# Altium PCB HIVE_BOARD_PCB ASCII REV Project_PCB_Rev.Project_SCH_Rev.PcbDoc (part 3 of 9) (continued)
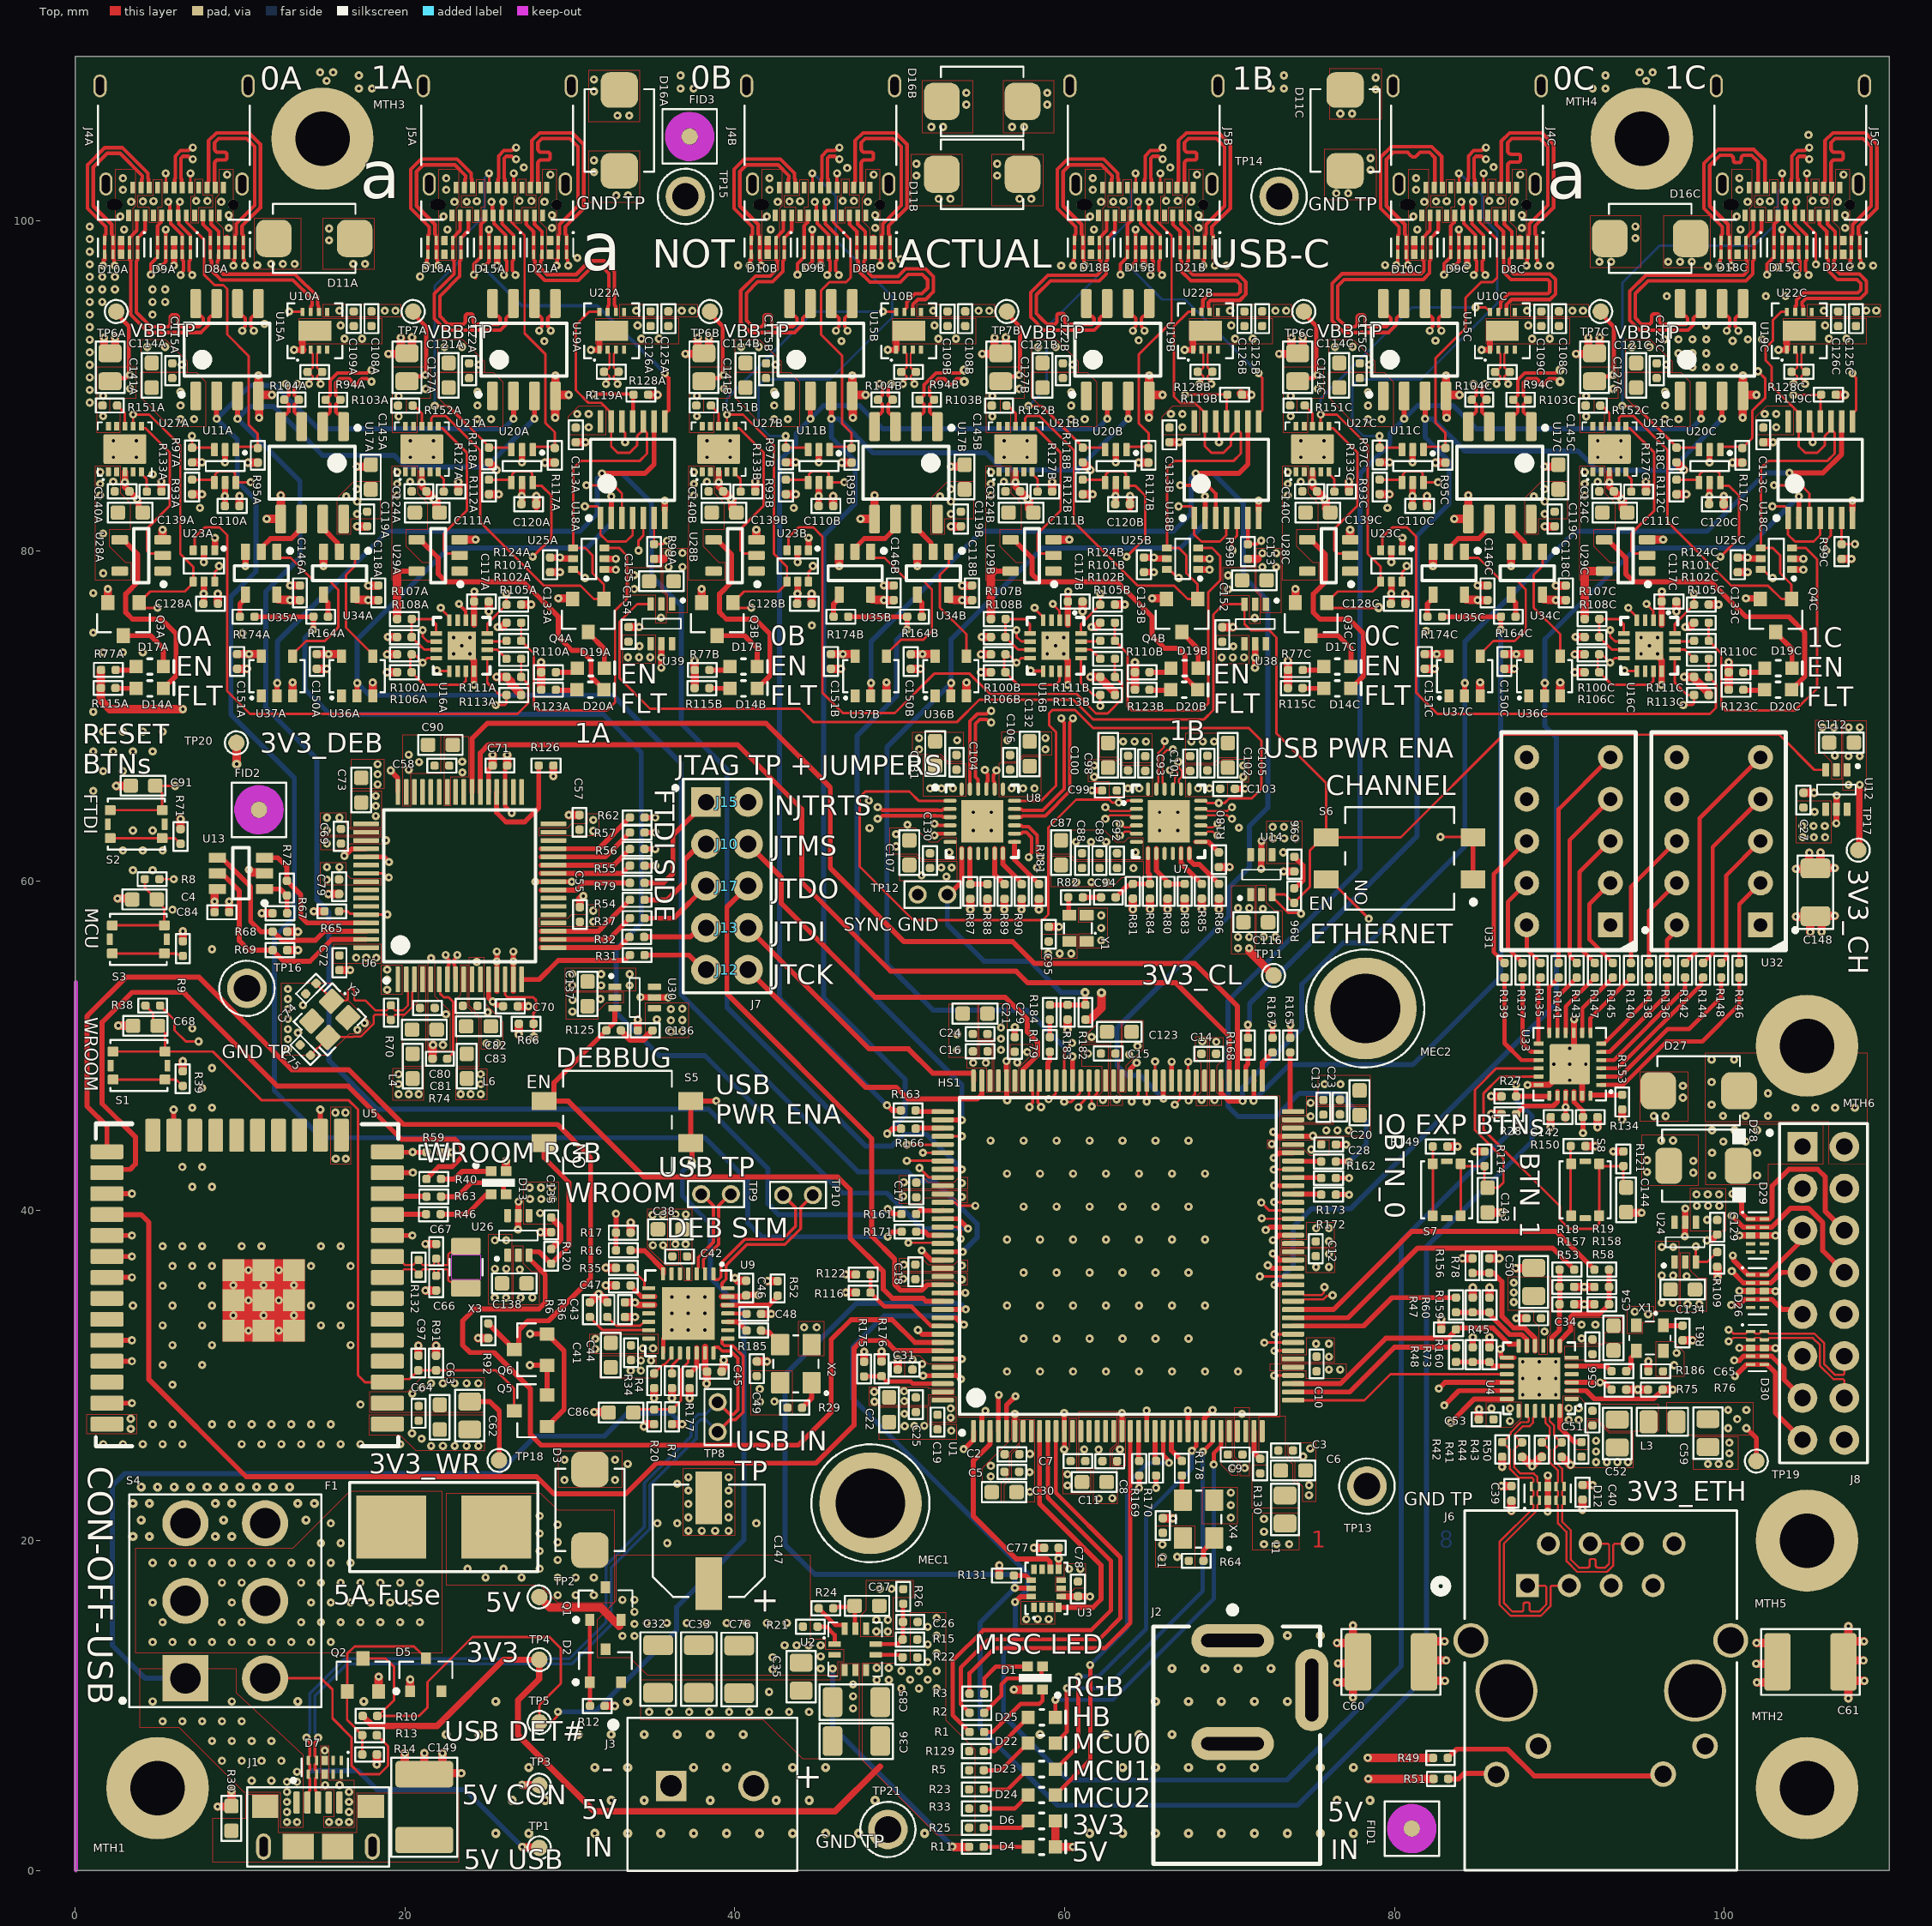
[diagram p0: Top view]
## Part data (continued)
U15A U15B U15C U19A U19B U19C: library part COM_XCV_FIN1027AMX, "COM_XCV - 3V3 LVCMOS to LVDS, 2 bits, High-SPEED, DIFF driver - SOIC-8"
U16A U16B U16C: library part CMP_LM339LVRTER, "COMP - Quad Comparator General Purpose Open-Drain, Rail-to-Rail - 16-WQFN (3x3)"
U17A U17B U17C: library part COM_XCV_FIN1028MX, "COM_XCV - 3V3 LVDS to LVCMOS, 2 bits, High-SPEED, DIFF receiver - SOIC-8"
U18A U18B U18C: library part LOG_BUF_74LVC126APW,118, "LOG_BUF - Quad Buffer non-inverting 3-States - 14-TSSOP"
U21A U21B U21C U27A U27B U27C: library part POW_NIS6150MT1TXG, "POW -  Electronic Fuse Regulator 1A -  10-WDFNW"
U23A U23B U23C U25A U25B U25C: library part LOG_AND_74LVC1G11DW-7, "LOG - AND Gate, 1CH 3-INP - 6-TSSOP"
U28A U28B U28C U29A U29B U29C: library part LOG_BUF_74AHC1G07GV,125, "LOG_BUF - Buffer non-inverting Open Drain - SC-74A"
U31 U32: library part LED_7SEG_INND-TS30RAB, "LED_7SEG  - LED Character and Numeric Red 7-Segment 1 Character Common Anode 2V - 10-TH"
U33: library part LOG_IOEXP_TCA9539RGER, "LOG - 16-Bit I2C/SMBus, I/O Expander - 24-VQFN-EP"
U34A U34B U34C U35A U35B U35C: library part LOG_BUF_74LVC1G126GV,125, "LOG_BUF - Buffer non-inverting 3-States - SC-74A"
U36A U36B U36C U37A U37B U37C: library part LOG_INV_74LVC1G04GV, "LOG - INVERTER 1CH 1-INP - SOT-753"
X1: library part OSC_CRY_ASDM1-25.000MHZ-LC-T, "OSC_CRY - 25MHz +-50ppm LVCMOS Crystal"
X2 X4: library part "OSC_O 24,0-JO32-B-1V3-1-T1-LF", "OSC - 24MHz XO (Standard) LVCMOS Oscillator 1.8V ~ 3.3V Enable/Disable 4-SMD, No Lead"
X3: library part CRY_VMK3-9005-32K7680000, "CRY - 32.768KHZ tol:20ppm  - 2-SMD"
Y1: library part "OSC_O 38,40-JT21G-E-M-3,3-LF", "OSC -  TCXO Clipped Sine Wave Oscillator 3.3V 38.4MHz - 4-SMD"
Y3: library part "CRY_FA-20H 12.0000MD30Z-K3", "CRY - 12MHz ±30ppm Crystal 10pF 150 Ohms 4-SMD, No Lead"

## Via types
v1: diameter 0.5, hole 0.2, Top to Bottom, tented both sides, 1950 vias
v2: diameter 0.55, hole 0.2, Top to Bottom, tented both sides, 104 vias
v3: diameter 0.5, hole 0.2, Top to Bottom, 41 vias
v4: diameter 0.5, hole 0.2, Top to Bottom, tented bottom, 5 vias

## Nets (pads, with @x,y where several pads share a name; then routed paths per layer and width w, separated by ;. In a path a pad name is that pad's centre, name@x,y a point inside that pad or via, vN(x,y) a via of type N, cw(c..) or ccw(c..) an arc to the next point about the centre after c; other vN are vias at no path point)
3V3: C1.2 C2.1 C5.2 C7.1 C8.1 C9.1 C10.1 C11.2 C12.1 C13.1 C14.1 C15.1 C16.1 C17.1 C18.1 C19.1 C26.2 C27.1 C30.1 C36.2 C38.1 C41.2 C42.2 C43.2 C44.2 C45.2 C46.2 C49.2 C77.1 C78.1 C85.2 C96.1 C117A.2 C117B.2 C117C.2 C123.2 C128A.2 C128B.2 C128C.2 C129.1 C133A.2 C133B.2 C133C.2 C135.1 C136.1 C142.1 C148.2 C152.1 C154.1 D1.3 D28.K J8.1 L1.1 R4.1 R5.1 R6.1 R10.1 R15.2 R22.1 R23.1 R25.2 R27.1 R28.1 R29.1 R33.1 R35.1 R36.1 R64.1 R77A.2 R77B.2 R77C.2 R96.1 R100A.1 R100B.1 R100C.1 R101A.1 R101B.1 R101C.1 R109.1 R110A.2 R110B.2 R110C.2 R111A.1 R111B.1 R111C.1 R113A.1 R113B.1 R113C.1 R114.2 R115A.2 R115B.2 R115C.2 R116.1 R120.1 R121.2 R123A.2 R123B.2 R123C.2 R124A.1 R124B.1 R124C.1 R125.1 R129.1 R131.1 R134.2 R153.2 R175.2 R177.1 TP4.1 U1.7 U1.8 U1.13 U1.19 U1.32 U1.42 U1.56 U1.71 U1.79 U1.90 U1.92 U1.106 U1.119 U1.129 U1.144 U2.5 U3.5 U3.8 U9.4 U9.10 U9.14 U9.20 U9.27 U12.4 U14.4 U16A.1 U16B.1 U16C.1 U23A.5 U23B.5 U23C.5 U24.4 U25A.5 U25B.5 U25C.5 U26.4 U30.4 U31.1 U31.6 U32.1 U32.6 U33.21 U38.4 U39.4 X2.4 X4.4 | length 115.7
  Top w0.305: C46.2@40.586,34.794 40.705,34.913 C46.2@40.716,34.902 ; v1@41.423,34.902 v1(41.434,34.891) ; v1(63.348,25.527) 63.348,25.514 v1@63.408,25.454 ; U1.19@63.472,27.213 v1(63.472,27.734) ; R96.1@73.914,59.55 74.016,59.652 74.074,59.652 74.447,60.025 74.447,60.935 C96.1@73.923,61.46 ; C142.1@90.353,45.524 C142.1@90.353,45.681 90.373,45.701 v1(90.373,46.279) U33.21@90.374,46.986 ; U33.21@90.374,46.986 U33.21@90.374,47.238
  Top w0.381: C128A.2@7.812,76.84 7.812,77.617 U23A.5@7.812,78.141 ; R10.1@17.437,9.373 18.044,8.766 21.951,8.766 25.968,12.783 TP4.1@28.143,12.783 28.143,11.612 26.847,10.316 26.847,8.219 31.478,3.589 46.078,3.589 48.797,6.308 ; v1@24.189,77.541 24.189,76.942 C117A.2@24.192,76.939 24.195,76.936 U16A.1@24.195,75.542 ; C133A.2@28.807,79.606 v1(29.406,79.606) 29.439,79.606 29.494,79.55 30.181,79.55 U25A.5@30.2,79.53 ; R120.1@28.868,37.678 29.416,38.227 29.416,39.045 C135.1@28.87,39.591 ; v1(31.746,34.962) v1@31.761,34.962 ; R125.1@33.094,50.935 33.643,50.387 34.461,50.387 C136.1@35.007,50.933 ; v1(33.951,34.442) 33.983,34.442 34.14,34.286 U9.10@34.778,34.286 U9.10@35.107,34.286 ; U9.20@38.195,31.74 U9.20@38.195,31.377 38.195,30.37 C45.2@38.314,30.251 ; U9.27@39.216,34.794 U9.27@39.579,34.794 C46.2@40.586,34.794 ; C46.2@40.716,34.902 v1@41.423,34.902 ; C128B.2@43.812,76.84 43.812,77.617 U23B.5@43.812,78.141 ; U3.8@59.634,18.272 v1(59.634,18.917) C77.1@59.634,19.563 ; U3.5@59.797,16.609 v1(61.535,16.609) ; v1@60.189,77.541 60.189,76.942 C117B.2@60.192,76.939 60.195,76.936 U16B.1@60.195,75.542 ; C133B.2@64.807,79.606 v1(65.406,79.606) 65.439,79.606 65.494,79.55 66.181,79.55 U25B.5@66.2,79.53 ; C128C.2@79.812,76.84 79.812,77.617 U23C.5@79.812,78.141 ; v1@96.189,77.541 96.189,76.942 C117C.2@96.192,76.939 96.195,76.936 U16C.1@96.195,75.542 ; R124C.1@99.045,76.75 R124C.1@99.051,76.756 ; C133C.2@100.807,79.606 v1(101.406,79.606) 101.439,79.606 101.494,79.55 102.181,79.55 U25C.5@102.2,79.53
  Top w0.508: R77A.2@1.572,72.793 1.565,72.786 1.565,71.703 R115A.2@1.558,71.697 1.558,70.953 2.098,70.414 v1(6.536,70.414) ; v1(18.923,73.733) R100A.1@19.523,73.733 ; v1(25.558,72.365) R111A.1@26.158,72.365 26.438,72.085 26.438,71.935 27.045,71.328 R113A.1@27.045,71.268 ; v1(25.629,75.387) 25.892,75.387 R101A.1@26.158,75.654 ; R124A.1@27.045,76.75 27.051,76.756 v1(27.651,76.756) ; v1(28.256,73.254) 28.256,72.654 R110A.2@28.259,72.651 R123A.2@28.259,71.589 ; R6.1@31.215,34.425 31.215,34.431 v1(31.746,34.962) ; v1@31.761,34.962 R36.1@32.276,34.447 ; v1@32.181,36.54 R35.1@32.795,36.54 ; C43.2@33.337,34.448 v1@33.951,34.448 ; v1@36.191,28.637 R4.1@36.191,29.252 ; v1@37.266,28.629 R177.1@37.266,29.243 ; v1(37.564,73.352) 37.564,72.752 R77B.2@37.57,72.746 ; R115B.2@37.571,71.696 37.571,72.779 R77B.2@37.577,72.786 ; v1(38.292,29.522) 38.303,29.533 C45.2@38.303,30.24 ; v1@46.727,35.043 R116.1@47.341,35.043 ; R175.2@47.838,30.844 v1@47.838,31.459 ; v1(54.923,73.733) R100B.1@55.523,73.733 ; R131.1@56.031,17.885 v1@56.031,18.5 ; v1@56.92,10.967 D1.3@57.534,10.967 ; v1(61.558,72.365) R111B.1@62.158,72.365 62.158,72.309 63.045,71.422 R113B.1@63.045,71.268 ; v1(61.629,75.387) 61.892,75.387 R101B.1@62.158,75.654 ; R124B.1@63.045,76.75 63.051,76.756 v1(63.651,76.756) ; v1(64.256,73.254) 64.256,72.654 R110B.2@64.259,72.651 R123B.2@64.259,71.589 ; v1(73.532,73.35) 73.532,72.751 R77C.2@73.537,72.745 ; R115C.2@73.538,71.695 73.538,72.778 R77C.2@73.545,72.785 ; v1@84.838,43.595 R114.2@85.452,43.595 ; v1(85.855,45.867) R28.1@86.47,45.867 ; v1@85.855,46.94 R27.1@86.47,46.94 ; v1(90.923,73.733) R100C.1@91.523,73.733 ; v1@92.309,45.067 R134.2@92.309,45.681 ; v1@93.257,43.594 R121.2@93.872,43.594 ; v1@93.799,45.53 R153.2@93.799,46.145 ; v1(97.558,72.365) R111C.1@98.158,72.365 98.158,72.276 99.045,71.389 R113C.1@99.045,71.268 ; v1(97.629,75.387) 97.892,75.387 R101C.1@98.158,75.654 ; R124C.1@99.051,76.756 v1(99.651,76.756) ; R109.1@99.56,36.609 99.59,36.579 v1(99.59,35.906) ; v1(100.256,73.254) 100.256,72.654 R110C.2@100.259,72.651 R123C.2@100.259,71.589 ; v1(104.332,60.73) 104.986,60.73 C148.2@104.991,60.725 ; C148.2@105.141,61.11 v1(105.141,61.71) ; C148.2@105.824,61.126 v1(105.824,61.725) ; C148.2@106.041,60.793 106.053,60.781 v1(106.694,60.781)
  other v1: 56.92,10.972 50.097,11.039 51.165,11.039 52.232,11.039 48.606,11.556 49.335,11.556 50.631,11.573 51.699,11.573 50.097,12.107 51.165,12.107 52.232,12.107 48.606,12.285 49.335,12.285 51.699,12.641 52.232,13.174 51.699,13.708 52.232,14.242 51.699,14.776 52.232,15.31 56.036,18.5 65.946,19.007 66.815,19.018 65.924,19.774 72.085,19.785 72.848,19.785 73.611,19.785 72.085,20.548 72.085,21.311 57.894,22.958 60.169,23.349 60.169,24.022 57.878,24.156 70.18,24.409 57.893,25.261 53.084,27.456 53.084,28.016 41.533,28.423 42.403,28.434 36.186,28.637 37.261,28.629 41.511,29.19 76.022,31.154 47.843,31.459 31.541,31.622 34.424,31.661 35.04,31.661 75.238,31.938 76.022,31.938 31.541,32.237 46.727,35.048 53.772,35.839 50.218,35.879 32.181,36.545 36.398,37.973 37.014,37.973 76.022,38.154 75.238,38.938 76.022,38.938 98.945,39.45 36.412,39.781 37.027,39.781 28.199,39.859 98.323,40.302 99.006,40.302 99.689,40.302 27.577,40.712 28.26,40.712 28.943,40.712 53.772,40.839 50.218,40.879 98.305,40.99 98.988,40.99 99.671,40.99 27.559,41.4 28.242,41.4 28.924,41.4 99.247,42.15 101.978,42.15 99.247,43.516 101.978,43.516 84.838,43.6 93.257,43.599 99.929,44.199 101.295,44.199 99.247,44.882 100.612,44.882 101.978,44.882 92.304,45.067 93.794,45.53 74.907,45.732 74.907,46.54 62.313,46.719 69.088,46.711 85.855,46.946 54.451,48.971 55.22,48.971 63.906,49.479 61.417,49.53 64.414,49.987 69.192,50.242 36.128,50.861 36.816,50.879 36.128,51.544 36.816,51.562 35.275,51.604 36.128,52.226 36.816,52.245 73.251,61.728 72.629,62.581 73.312,62.581 73.995,62.581 104.736,62.642 105.419,62.642 106.102,62.642 72.611,63.269 73.294,63.269 73.977,63.269 104.718,63.33 105.401,63.33 106.084,63.33 105.462,64.182 69.52,73.548 70.194,73.548 70.868,73.548 33.52,73.559 34.194,73.559 34.868,73.559 34.224,74.233 70.224,74.222 7.798,77.419 43.798,77.419 79.798,77.419 24.206,77.546 60.206,77.546 96.206,77.546
3V3_CH: C108A.2 C108B.2 C108C.2 C109A.2 C109B.2 C109C.2 C110A.1 C110B.1 C110C.1 C112.1 C113A.2 C113B.2 C113C.2 C114A.1 C114B.1 C114C.1 C115A.1 C115B.1 C115C.1 C118A.1 C118B.1 C118C.1 C119A.1 C119B.1 C119C.1 C120A.1 C120B.1 C120C.1 C121A.1 C121B.1 C121C.1 C122A.1 C122B.1 C122C.1 C125A.2 C125B.2 C125C.2 C126A.2 C126B.2 C126C.2 C145A.1 C145B.1 C145C.1 C146A.1 C146B.1 C146C.1 C150A.1 C150B.1 C150C.1 C151A.1 C151B.1 C151C.1 C153.1 C155.1 R93A.1 R93B.1 R93C.1 R95A.1 R95B.1 R95C.1 R99A.1 R99B.1 R99C.1 R112A.1 R112B.1 R112C.1 R117A.1 R117B.1 R117C.1 R119A.1 R119B.1 R119C.1 TP17.1 U10A.5 U10B.5 U10C.5 U11A.5 U11B.5 U11C.5 U12.1 U15A.1 U15B.1 U15C.1 U17A.8 U17B.8 U17C.8 U18A.14 U18B.14 U18C.14 U19A.1 U19B.1 U19C.1 U20A.5 U20B.5 U20C.5 U22A.5 U22B.5 U22C.5 U23A.1 U23B.1 U23C.1 U25A.1 U25B.1 U25C.1 U34A.5 U34B.5 U34C.5 U35A.5 U35B.5 U35C.5 U36A.5 U36B.5 U36C.5 U37A.5 U37B.5 U37C.5 U38.1 U39.1 | length 45.3
  Top w0.381: v1(8.478,80.793) 8.478,80.193 U23A.1@8.484,80.188 ; C110A.1@9.062,82.842 9.093,82.874 9.093,84.137 U11A.5@9.102,84.146 ; C120A.1@27.062,82.842 27.093,82.874 27.093,84.137 U20A.5@27.102,84.146 ; U25A.1@32.182,78.867 v1(32.782,78.867) ; v1(44.478,80.793) 44.478,80.193 U23B.1@44.484,80.188 ; C110B.1@45.062,82.842 45.093,82.874 45.093,84.137 U11B.5@45.102,84.146 ; C120B.1@63.062,82.842 63.093,82.874 63.093,84.137 U20B.5@63.102,84.146 ; U25B.1@68.182,78.867 v1(68.782,78.867) ; v1(80.478,80.793) 80.478,80.193 U23C.1@80.484,80.188 ; C110C.1@81.062,82.842 81.093,82.874 81.093,84.137 U11C.5@81.102,84.146 ; C120C.1@99.062,82.842 99.093,82.874 99.093,84.137 U20C.5@99.102,84.146 ; U25C.1@104.182,78.867 v1(104.782,78.867) ; TP17.1@108.109,61.865 108.184,61.939 108.184,65.808 v1(108.206,65.831)
  Top w0.508: R93A.1@7.089,83.434 R93A.1@7.095,83.44 v1(7.695,83.44) ; C151A.1@9.83,73.749 11.272,73.749 11.293,73.728 U37A.5@11.293,73.615 ; v1(10.482,85.356) R95A.1@11.082,85.356 R95A.1@11.088,85.362 ; U35A.5@12.234,77.358 12.234,77.133 12.318,77.048 12.543,77.048 12.549,77.042 13.013,77.042 v1(13.035,77.019) C146A.1@13.635,77.019 C146A.1@13.641,77.025 ; C150A.1@14.656,73.749 U36A.5@16.098,73.749 ; U34A.5@16.973,77.358 16.973,77.133 17.057,77.048 17.282,77.048 17.288,77.042 17.752,77.042 v1(17.775,77.019) 18.375,77.019 C118A.1@18.38,77.025 ; R112A.1@25.089,83.434 R112A.1@25.095,83.44 v1(25.695,83.44) ; v1(28.482,85.356) R117A.1@29.082,85.356 R117A.1@29.088,85.362 ; R119A.1@34.848,89.467 v1(35.32,89.467) ; R99A.1@35.105,79.521 35.705,79.521 ; R93B.1@43.089,83.434 R93B.1@43.095,83.44 v1(43.695,83.44) ; C151B.1@45.83,73.749 47.272,73.749 47.293,73.728 U37B.5@47.293,73.615 ; v1(46.482,85.356) R95B.1@47.082,85.356 R95B.1@47.088,85.362 ; U35B.5@48.234,77.358 48.234,77.133 48.318,77.048 48.543,77.048 48.549,77.042 49.013,77.042 v1(49.035,77.019) C146B.1@49.635,77.019 C146B.1@49.641,77.025 ; C150B.1@50.656,73.749 U36B.5@52.098,73.749 ; U34B.5@52.973,77.358 52.973,77.133 53.057,77.048 53.282,77.048 53.288,77.042 53.752,77.042 v1(53.775,77.019) 54.375,77.019 C118B.1@54.38,77.025 ; R112B.1@61.089,83.434 R112B.1@61.095,83.44 v1(61.695,83.44) ; v1(64.482,85.356) R117B.1@65.082,85.356 R117B.1@65.088,85.362 ; R119B.1@70.684,89.541 R119B.1@70.748,89.477 ; R119B.1@70.848,89.467 v1(71.32,89.467) ; R99B.1@71.105,79.521 71.705,79.521 ; R93C.1@79.089,83.434 R93C.1@79.095,83.44 v1(79.695,83.44) ; C151C.1@81.83,73.749 v1(82.551,73.749) 83.272,73.749 83.293,73.728 U37C.5@83.293,73.615 ; v1(82.482,85.356) R95C.1@83.082,85.356 R95C.1@83.088,85.362 ; U35C.5@84.234,77.358 84.234,77.133 84.318,77.048 84.543,77.048 84.549,77.042 85.013,77.042 v1(85.035,77.019) C146C.1@85.635,77.019 C146C.1@85.641,77.025 ; C150C.1@86.656,73.749 U36C.5@88.098,73.749 ; U34C.5@88.973,77.358 88.973,77.133 89.057,77.048 89.282,77.048 89.288,77.042 89.752,77.042 v1(89.775,77.019) 90.375,77.019 C118C.1@90.38,77.025 ; R112C.1@97.089,83.434 R112C.1@97.095,83.44 v1(97.695,83.44) ; v1(100.482,85.356) R117C.1@101.082,85.356 R117C.1@101.088,85.362 ; R119C.1@106.848,89.467 v1(107.32,89.467) ; R99C.1@107.105,79.521 v1(107.705,79.521)
  other v1: 107.519,65.831 107.519,67.562 108.206,67.562 107.529,69.311 108.212,69.311 10.551,73.749 15.377,73.749 46.551,73.749 51.377,73.749 87.377,73.749 35.984,79.037 36.826,79.037 71.984,79.026 72.826,79.026 71.984,79.868 72.826,79.868 35.984,79.879 36.826,79.879 17.101,82.245 53.101,82.245 89.101,82.245 17.101,82.999 53.101,82.999 89.101,82.999 9.08,83.328 16.444,83.314 27.081,83.328 45.08,83.328 52.444,83.314 63.081,83.328 81.08,83.328 88.444,83.314 99.081,83.328 17.101,83.753 53.101,83.753 89.101,83.753 31.14,87.503 67.14,87.503 103.14,87.503 6.391,87.993 7.217,87.993 24.391,87.993 25.217,87.993 42.391,87.993 43.217,87.993 60.393,87.991 61.22,87.991 78.393,87.991 79.22,87.991 96.391,87.993 97.217,87.993 30.442,88.305 31.14,88.305 66.442,88.305 67.14,88.305 102.442,88.305 103.14,88.305 6.391,88.819 24.391,88.819 42.391,88.819 60.393,88.817 78.393,88.817 96.391,88.819 6.391,89.646 24.391,89.646 42.391,89.646 60.393,89.643 78.393,89.643 96.391,89.646 16.027,94.564 18.779,94.564 19.426,94.564 34.027,94.564 36.779,94.564 37.426,94.564 52.027,94.564 54.779,94.564 55.426,94.564 70.027,94.564 72.779,94.564 73.426,94.564 88.027,94.564 90.779,94.564 91.426,94.564 106.027,94.564 108.599,94.579 109.206,94.579
3V3_CL: C87.1 C88.2 C89.2 C92.2 C93.2 C95.2 C98.2 C99.2 C100.1 C101.2 C102.2 C103.2 C104.2 C105.1 C106.2 C107.1 C116.1 C130.2 C131.1 C132.1 R80.2 R81.2 R85.2 R87.2 R89.2 R182.2 TP11.1 U7.6 U7.19 U7.24 U8.6 U8.19 U8.24 U14.1 Y1.4 | length 7.7
  Top w0.508: v1(54.275,58.262) R87.2@54.275,58.913 ; v1(56.346,58.262) R89.2@56.346,58.913 ; R182.2@61.258,51.593 61.537,51.593 62.229,52.286 v2(62.229,53.22) ; v1(64.135,58.277) R81.2@64.135,58.928 ; v1(66.238,58.277) R80.2@66.238,58.928 ; v1(68.311,58.277) R85.2@68.311,58.928 ; v1(71.184,55.917) 71.184,55.745 TP11.1@72.662,54.268
  other v1: 58.999,55.593 59.695,55.593 60.392,55.593 70.501,55.917 70.501,56.6 71.184,56.6 70.507,58.348 71.194,58.348 53.001,61.726 64.301,61.726 49.78,62.092 60.68,62.369 61.598,62.369 62.516,62.369 49.78,62.834 51.84,65.608 52.53,65.608 53.22,65.608 56.788,65.608 57.478,65.608 58.168,65.608 63.83,65.608 64.52,65.608 68.088,65.608 68.778,65.608 61.786,66.306 70.821,66.306 61.786,66.996 70.821,66.996
3V3_DEB: C55.1 C57.1 C58.1 C69.1 C79.1 C84.1 C90.1 C137.1 L4.1 L6.1 R66.2 R67.2 R68.2 R69.2 TP20.1 U6.20 U6.31 U6.42 U6.50 U6.56 U13.6 U30.1 | length 5.5
  Top w0.508: C84.1@8.457,58.098 v1(8.457,58.749) 8.457,59.46 8.503,59.506 U13.6@8.636,59.506 ; TP20.1@9.782,68.372 9.792,68.361 9.792,67.089 v2(9.8,67.081) ; v1(11.322,58.04) R67.2@11.974,58.04 ; R69.2@12.865,55.804 v1(13.516,55.804) ; R68.2@12.865,56.922 v1(13.516,56.922) ; v1(26.906,50.685) R66.2@26.906,51.336
  other v1: 19.62,47.065 20.229,47.065 20.839,47.065 23.379,47.065 23.988,47.065 24.598,47.065 19.62,47.675 24.598,47.675 19.62,48.284 24.598,48.284 31.895,53.661 33.627,53.661 30.147,53.671 31.895,54.349 33.627,54.349 30.147,54.354 31.42,57.531 31.42,58.191 15.265,60.068 15.27,60.836 16.03,60.836 31.42,63.031 15.265,63.068 31.42,63.691 15.27,63.836 16.03,63.836 23.481,66.579 23.47,67.223
3V3_ETH: C34.2 C50.2 C59.2 C65.1 C134.1 L3.1 R45.2 R53.2 R58.2 R60.2 R73.2 R156.2 TP19.1 U4.9 U24.1 X1.4 | length 5.9
  Top w0.305: v1(101.329,26.82) 101.935,26.214 TP19.1@101.935,24.823
  Top w0.381: R73.2@84.737,31.72 v1@84.737,32.334
  Top w0.508: R45.2@82.828,32.808 v1@82.828,33.422 ; v1@84.111,37.112 R156.2@84.725,37.112 ; R60.2@84.737,34.734 v1@84.737,35.348 ; R53.2@90.888,34.33 R58.2@92.117,34.33
  other v1: 100.226,26.82 100.778,27.372 100.226,27.923 101.329,27.923 96.956,30.642 97.094,31.379 84.742,32.334 89.089,32.68 82.833,33.422 91.503,34.325 96.193,34.417 96.876,34.417 87.224,34.459 87.224,35.052 84.742,35.348 87.224,35.645 96.201,36.069 96.888,36.069 84.111,37.117 96.201,37.801 96.888,37.801
3V3_PHY: C39.1 C40.1 C51.1 C52.1 C53.1 J6.2 J6.5 L3.2 R41.2 R42.2 R43.2 R44.2 U4.1 U4.19 | length 4.4
  Top w0.381: R41.2@87.726,25.072 87.726,25.126 R41.2@87.753,25.099 ; v1@88.328,24.525 v1(88.341,24.511) ; R43.2@90.132,25.072 R43.2@90.132,25.111 ; v1@90.656,24.587 v1(90.678,24.587)
  Top w0.508: v1@86.523,24.469 R42.2@86.523,25.083 ; v1@87.086,21.805 C39.1@87.086,22.419 ; R41.2@87.753,25.099 v1@88.328,24.525 ; v1@88.314,24.511 R44.2@88.929,25.126 ; R43.2@90.132,25.111 v1@90.656,24.587 ; v1@91.396,21.875 C40.1@91.396,22.489
  other v1: 87.081,21.805 91.391,21.875 86.518,24.469 86.995,27.251 90.558,27.326 91.162,27.326 85.877,28.016 86.995,28.016 90.558,28.03 91.162,28.03
3V3_WR: C62.2 C63.1 C64.2 C138.1 D13.3 R91.2 R92.2 TP18.1 U5.2 U26.1 | length 6.8
  Top w0.305: C62.2@23.926,28.433 25.15,28.433 25.719,27.864 TP18.1@25.719,24.978
  Top w0.508: R91.2@21.889,31.215 v1@21.889,31.83 ; v1@24.437,32.278 R92.2@25.051,32.278 ; D13.3@26.129,42.407 v1@26.129,43.021
  other v1: 20.448,28.911 21.029,29.239 21.587,29.54 22.304,29.54 23.021,29.54 23.738,29.54 24.455,29.54 21.894,31.83 24.437,32.283 25.449,34.73 26.132,34.73 25.454,36.479 26.142,36.479 25.454,38.211 26.142,38.211 26.134,43.021
5V: C32.2 C33.2 C35.2 C76.2 C111A.1 C111B.1 C111C.1 C124A.2 C124B.2 C124C.2 C139A.1 C139B.1 C139C.1 C140A.2 C140B.2 C140C.2 C147.1 D2.3 D27.1 J8.2 Q1.2 R11.1 R21.2 R107A.1 R107B.1 R107C.1 TP2.1 U2.2 U21A.1 U21A.2 U21B.1 U21B.2 U21C.1 U21C.2 U27A.1 U27A.2 U27B.1 U27B.2 U27C.1 U27C.2 U28A.5 U28B.5 U28C.5 U29A.5 U29B.5 U29C.5 | length 32.3
  Top w0.305: 19.528,78.602 19.706,78.781 U29A.5@20.713,78.781 ; 55.706,78.781 U29B.5@56.713,78.781
  Top w0.508: R107A.1@19.528,75.874 19.528,78.602 ; TP2.1@28.143,16.586 28.778,15.951 31.877,15.951 Q1.2@32.993,14.835 ; v1@53.22,1.426 R11.1@54.198,1.426 ; R107B.1@55.528,75.874 55.528,78.602 55.706,78.781 ; R107C.1@91.528,75.874 91.528,78.602 91.706,78.781 U29C.5@92.713,78.781
  Bottom w0.305: v1(45.932,12.251) 45.932,8.714 v1(53.192,1.455)
  other v1: 42.29,12.201 45.204,12.251 42.29,12.929 45.204,12.979 43.019,13.658 43.747,13.658 44.475,13.658 45.204,13.658 33.189,14.226 33.917,14.226 33.917,14.954 34.663,15.011 35.875,15.011 37.087,15.011 38.299,15.011 39.511,15.011 40.723,15.011 41.935,15.011 43.147,15.011 33.917,15.683 33.189,16.411 33.917,16.411 35.906,19.852 35.306,21.052 36.506,21.052 41.306,21.052 36.506,23.452 33.506,24.652 1.706,25.852 2.906,25.852 4.106,25.852 5.306,25.852 6.506,25.852 10.106,25.852 11.306,25.852 12.506,25.852 13.706,25.852 14.906,25.852 16.106,25.852 17.306,25.852 19.706,25.852 4.706,27.052 5.906,27.052 8.306,27.052 9.506,27.052 10.706,27.052 11.906,27.052 13.106,27.052 14.306,27.052 15.506,27.052 17.306,28.252 5.906,29.452 5.306,30.652 7.706,30.652 5.906,31.852 8.306,31.852 16.706,31.852 5.306,33.052 7.706,33.052 14.906,33.052 16.106,33.052 3.506,34.252 5.906,34.252 8.306,34.252 14.306,34.252 16.706,34.252 5.306,35.452 7.706,35.452 5.906,36.652 7.106,36.652 8.306,36.652 14.306,36.652 16.706,36.652 5.306,37.852 6.506,37.852 7.706,37.852 10.106,37.852 11.306,37.852 14.906,37.852 16.106,37.852 7.106,41.452 8.306,41.452 6.506,42.652 7.706,42.652 99.907,45.751 101.272,45.751 102.638,45.751 7.106,46.252 8.306,46.252 104.306,46.252 105.506,46.252 106.706,46.252 107.906,46.252 99.224,46.434 102.638,47.117 7.706,47.452 99.224,47.8 8.306,48.652 99.224,49.166 100.59,49.166 7.106,51.052 8.306,55.852 5.906,58.252 3.506,60.652 4.706,60.652 2.906,61.852 4.106,61.852 5.306,61.852 3.506,63.052 4.706,63.052 1.106,65.452 1.706,66.652 2.906,66.652 1.106,67.852 2.306,67.852 3.506,67.852 4.706,67.852 1.706,69.052 2.906,69.052 4.106,69.052 5.306,69.052 1.106,70.252 1.706,73.852 2.906,73.852 4.106,73.852 1.106,75.052 1.106,77.452 1.706,78.652 1.706,81.052 1.524,83.363 19.524,83.363 37.524,83.363 55.524,83.363 73.524,83.363 91.524,83.363 1.524,84.074 19.524,84.074 37.524,84.074 55.524,84.074 73.524,84.074 91.524,84.074 2.311,84.201 20.311,84.201 38.311,84.201 56.311,84.201 74.311,84.201 92.311,84.201 4.706,84.652 1.524,84.785 19.524,84.785 37.524,84.785 55.524,84.785 73.524,84.785 91.524,84.785 0.889,88.998 0.889,89.76 0.889,90.523 98.056,91.144 98.898,91.144 99.74,91.144 100.583,91.144 0.889,91.285 97.214,91.986 98.056,91.986 98.898,91.986 0.889,92.048 0.889,92.81 96.372,92.828 97.214,92.828 98.056,92.828 98.898,92.828 101.425,92.828 102.267,92.828 0.889,93.572 98.898,93.67 0.889,94.335 4.701,94.335 0.889,95.097 1.651,95.097 4.701,95.097 5.463,95.097 96.506,95.452 102.506,95.452 103.706,95.452 0.889,95.86 1.651,95.86 2.413,95.86 4.701,95.86 5.463,95.86 0.889,96.622 1.651,96.622 0.889,97.384 0.889,98.147 0.889,98.909 0.889,99.672
5V_CONN: J2.1 J3.2 S4.3 S4.6 TP3.1 | length 1
  Top w0.508: v1@27.129,5.176 TP3.1@28.107,5.176
  other v1: 27.101,5.204
  other v2: 25.507,2.252 27.507,2.252 31.507,2.252 33.507,2.252 35.507,2.252 37.507,2.252 39.507,2.252 41.507,2.252 43.507,2.252 45.507,2.252 47.507,2.252 51.507,2.252 61.507,2.252 63.507,2.252 65.507,2.252 67.507,2.252 69.507,2.252 71.507,2.252 73.507,2.252 75.507,2.252 77.507,2.252 26.507,4.252 28.507,4.252 32.507,4.252 34.507,4.252 38.507,4.252 42.507,4.252 44.507,4.252 48.507,4.252 76.507,4.252 78.507,4.252 27.507,6.252 31.507,6.252 33.507,6.252 37.507,6.252 39.507,6.252 43.507,6.252 45.507,6.252 63.507,6.252 65.507,6.252 67.507,6.252 69.507,6.252 71.507,6.252 75.507,6.252 77.507,6.252 22.507,8.252 24.507,8.252 30.507,8.252 32.507,8.252 34.507,8.252 36.507,8.252 38.507,8.252 40.507,8.252 58.507,8.252 62.507,8.252 64.507,8.252 66.507,8.252 13.507,10.252 17.507,10.252 25.507,10.252 33.507,10.252 65.507,10.252 67.507,10.252 69.507,10.252 71.507,10.252 73.507,10.252 66.507,12.252 68.507,12.252 70.507,12.252 72.507,12.252 73.507,14.252 75.507,14.252 3.507,20.252 4.507,20.252 8.507,20.252 9.507,20.252 4.007,21.252 9.007,21.252 14.007,21.252 3.507,22.252 4.507,22.252 8.507,22.252 9.507,22.252 13.507,22.252 14.507,22.252 4.007,23.252 5.007,23.252 6.007,23.252 7.007,23.252 8.007,23.252 9.007,23.252 10.007,23.252 11.007,23.252 12.007,23.252 13.007,23.252
5V_POL_G: D2.1 Q1.1 R12.1 | length 5.2
  Top w0.254: Q1.1@31.206,15.196 D2.1@31.206,11.417 31.213,11.41 31.213,9.987 R12.1@31.22,9.98
5V_USB: J1.1 R7.1 S4.1 TP1.1 | length 68
  Top w0.508: v1(27.109,1.431) 27.137,1.403 28.115,1.403 TP1.1@28.143,1.375 ; R7.1@36.191,27.063 v1@36.806,27.063
  Bottom w0.305: S4.1@6.692,11.653 4.256,11.653 2.26,13.649 2.26,23.316 3.006,24.062 25.634,24.062 27.908,26.336 32.089,26.336 33.485,27.732 36.132,27.732 v1(36.806,27.058) ; 14.268,6.056 17.157,6.056 18.302,4.911 23.629,4.911 v1(27.109,1.431)
  other v1: 12.848,2.942 13.458,2.942 12.848,3.551 12.848,4.161 12.848,4.77 12.848,5.38 13.458,5.38 10.706,5.452 11.906,5.452 13.458,5.99 8.906,6.652 10.106,6.652 11.306,6.652 12.506,6.652 8.306,7.852 9.506,7.852 10.706,7.852 11.906,7.852 5.306,9.052 6.506,9.052 7.706,9.052 8.906,9.052 10.106,9.052 4.706,10.252 9.506,10.252
7SEG_A_0: R136.1 U33.5 | length 6.5
  Top w0.254: U33.5@92.524,49.636 93.034,49.636 96.517,53.119 R136.1@96.517,54.138
7SEG_A_1: R135.1 U33.13 | length 4.1
  Top w0.254: U33.13@88.724,50.136 88.724,53.994 88.854,54.124 R135.1@88.854,54.138
7SEG_B_0: R138.1 U33.6 | length 5.3
  Top w0.254: U33.6@92.524,50.136 92.69,50.136 92.704,50.15 95.423,52.868 R138.1@95.423,54.138
7SEG_B_1: R137.1 U33.14 | length 5.2
  Top w0.254: R137.1@87.759,54.138 87.759,50.154 88.27,49.643 88.717,49.643 U33.14@88.724,49.636
7SEG_C_0: R140.1 U33.7 | length 4.4
  Top w0.254: U33.7@91.874,50.786 91.874,51.684 R140.1@94.328,54.138
7SEG_C_1: R139.1 U33.15 | length 6.5
  Top w0.254: R139.1@86.664,54.138 86.664,50.159 87.687,49.136 U33.15@88.724,49.136
7SEG_D_0: R142.1 U33.4 | length 7.6
  Top w0.254: U33.4@92.524,49.136 93.303,49.136 97.612,53.445 R142.1@97.612,54.138
7SEG_D_1: R141.1 U33.12 | length 3.6
  Top w0.254: U33.12@89.374,50.786 89.374,53.563 R141.1@89.949,54.138
7SEG_E_0: R144.1 U33.3 | length 8.6
  Top w0.254: U33.3@92.524,48.636 92.531,48.643 93.525,48.643 98.596,53.714 98.596,54.026 R144.1@98.707,54.138
7SEG_E_1: R143.1 U33.11 | length 3.8
  Top w0.254: U33.11@89.874,50.786 89.874,52.968 R143.1@91.043,54.138
7SEG_F_0: R146.1 U33.1 | length 12
  Top w0.254: U33.1@92.524,47.636 93.852,47.636 96.474,50.258 98.651,50.258 100.897,52.504 R146.1@100.897,54.138
7SEG_F_1: R145.1 U33.8 | length 4.1
  Top w0.254: U33.8@91.374,50.786 91.385,50.797 91.385,52.289 R145.1@93.233,54.138
7SEG_G_0: R148.1 U33.2 | length 10.5
  Top w0.254: U33.2@92.524,48.136 92.531,48.143 93.685,48.143 96.559,51.017 97.866,51.017 99.802,52.953 R148.1@99.802,54.138
7SEG_G_1: R147.1 U33.10 | length 4.1
  Top w0.254: U33.10@90.374,50.786 90.374,52.373 R147.1@92.138,54.138
12M_X_N: C75.2 R70.1 U6.3 Y3.3 | length 9.4
  Top w0.127: C75.2@14.275,49.428 Y3.3@15.2,50.353 ; Y3.3@15.338,50.511 15.374,50.546 16.869,50.546 16.878,50.555 17.309,50.555 18.112,51.358 18.112,51.818 18.186,51.892 18.875,51.892 R70.1@19.149,51.618 ; R70.1@19.149,51.57 R70.1@19.149,51.618 ; U6.3@20.571,54.022 20.571,53.382 20.448,53.259 20.448,52.356 19.979,51.887 19.414,51.887 19.34,51.813 19.34,51.808 R70.1@19.149,51.618